# KiCad board C816Pro.kicad_pcb
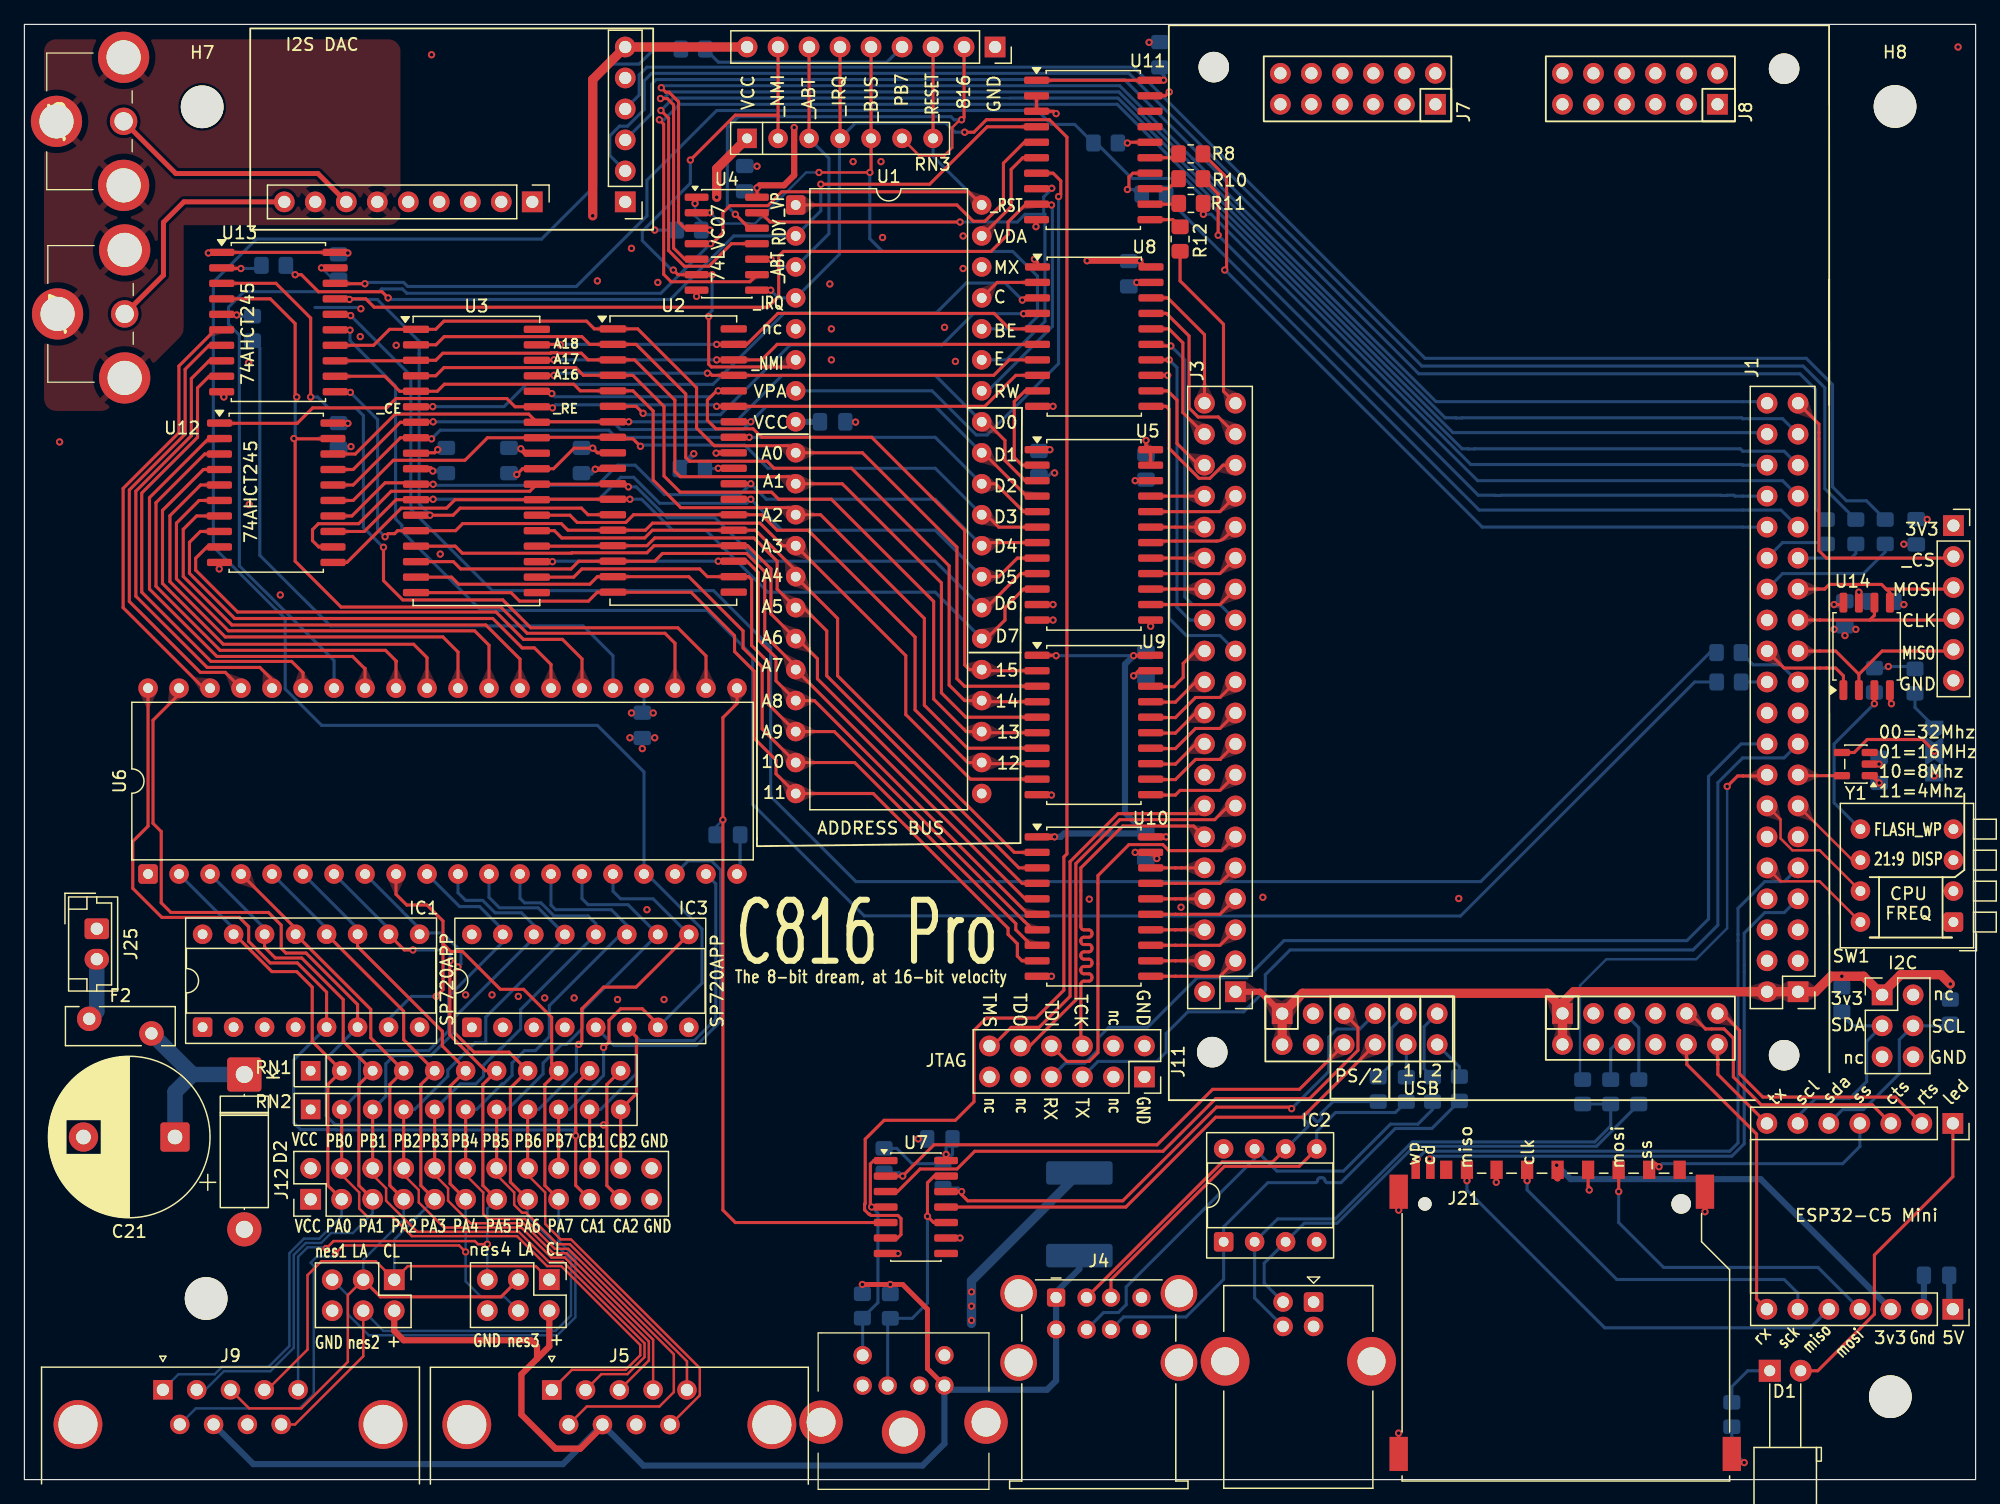
[diagram p0: board, top side]
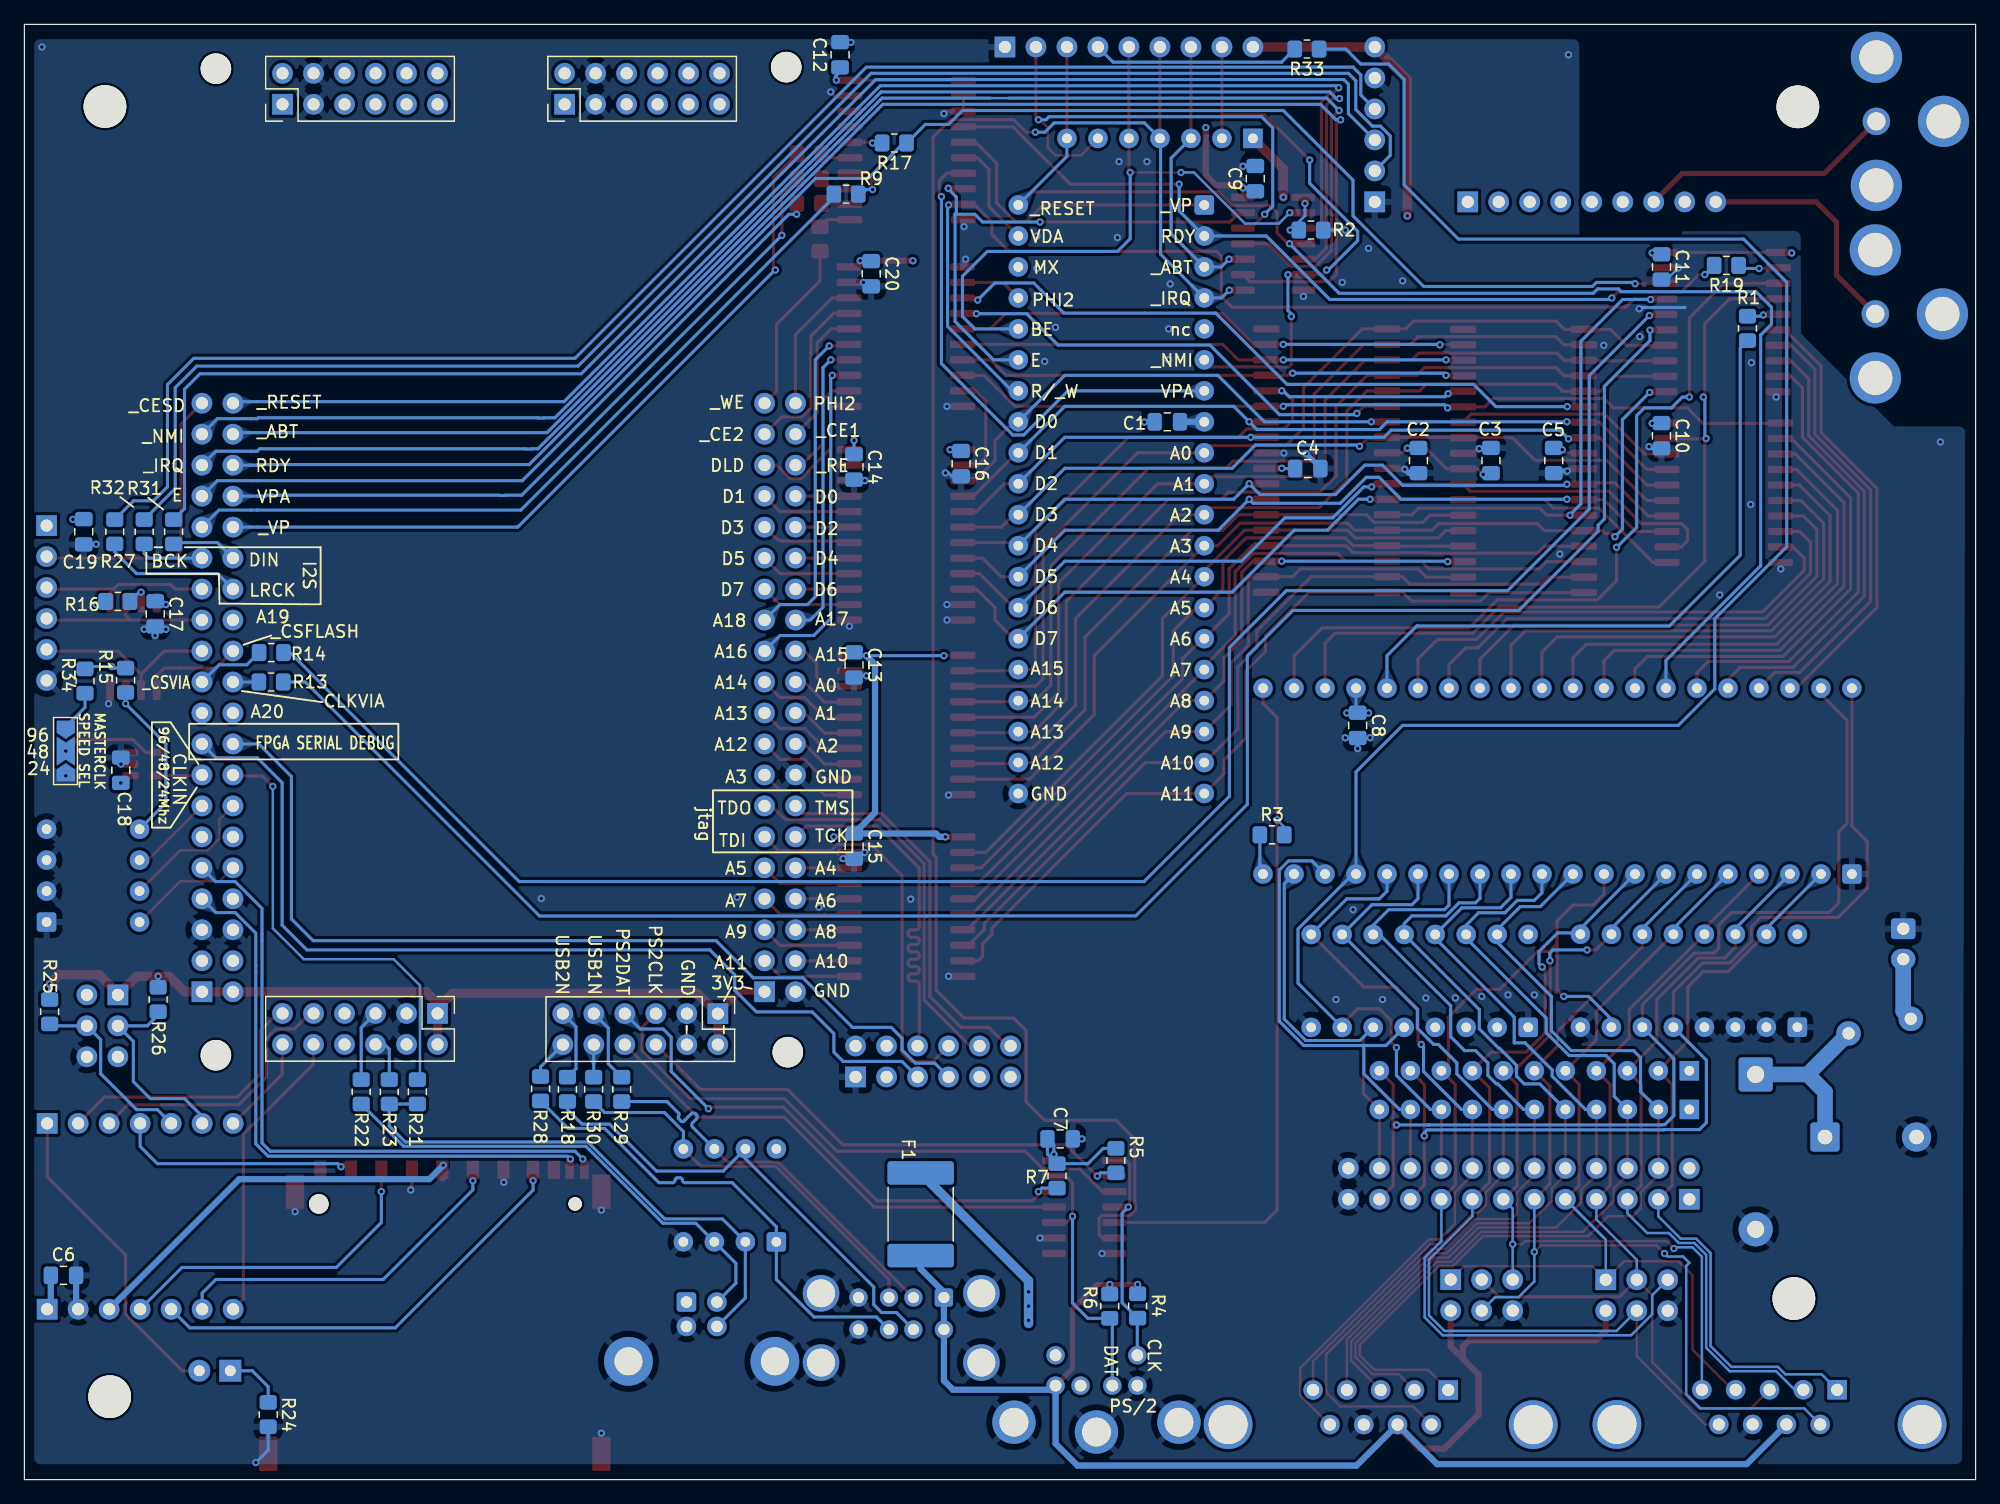
[diagram p1: board, bottom side, seen from below]

Outline 159.89 x 119.33 mm; copper layers: Top, In1.Cu, In2.Cu, Bottom. Coordinates in mm from the lower left corner of the outline.
Outline path: rectangle 0,119.33 159.89,0
Stack: Top 0.035mm / dielectric 0.1mm FR4 er 4.5 / In1.Cu 0.035mm / dielectric 1.24mm FR4 er 4.5 / In2.Cu 0.035mm / dielectric 0.1mm FR4 er 4.5 / Bottom 0.035mm

## Placement (name value [footprint] x y rotation side)
C1  100n  [C_0805_2012Metric_Pad1.18x1.45mm_HandSolder]  66.23 86.74 0 bottom
C2  100n  [C_0805_2012Metric_Pad1.18x1.45mm_HandSolder]  45.66 83.57 270 bottom
C3  100n  [C_0805_2012Metric_Pad1.18x1.45mm_HandSolder]  39.71 83.57 90 bottom
C4  100n  [C_0805_2012Metric_Pad1.18x1.45mm_HandSolder]  54.73 82.91 180 bottom
C5  100n  [C_0805_2012Metric_Pad1.18x1.45mm_HandSolder]  34.57 83.57 270 bottom
C6  100n  [C_0805_2012Metric_Pad1.18x1.45mm_HandSolder]  156.69 16.75 180 bottom
C7  100n  [C_0805_2012Metric_Pad1.18x1.45mm_HandSolder]  75.02 27.94 180 bottom
C8  100n  [C_0805_2012Metric_Pad1.18x1.45mm_HandSolder]  50.63 61.85 270 bottom
C9  100n  [C_0805_2012Metric_Pad1.18x1.45mm_HandSolder]  59.03 106.68 90 bottom
C10  100n  [C_0805_2012Metric_Pad1.18x1.45mm_HandSolder]  25.74 85.6 270 bottom
C11  100n  [C_0805_2012Metric_Pad1.18x1.45mm_HandSolder]  25.74 99.44 270 bottom
C12  100n  [C_0805_2012Metric_Pad1.18x1.45mm_HandSolder]  93.05 116.84 90 bottom
C13  100n  [C_0805_2012Metric_Pad1.18x1.45mm_HandSolder]  91.91 66.8 270 bottom
C14  100n  [C_0805_2012Metric_Pad1.18x1.45mm_HandSolder]  91.91 83.04 270 bottom
C15  100n  [C_0805_2012Metric_Pad1.18x1.45mm_HandSolder]  91.9 51.94 270 bottom
C16  100n  [C_0805_2012Metric_Pad1.18x1.45mm_HandSolder]  83.14 83.31 270 bottom
C17  100n  [C_0805_2012Metric_Pad1.18x1.45mm_HandSolder]  149.18 70.99 270 bottom
C18  100n  [C_0805_2012Metric_Pad1.18x1.45mm_HandSolder]  151.99 58.17 90 bottom
C19  100n  [C_0805_2012Metric_Pad1.18x1.45mm_HandSolder]  155.03 77.72 270 bottom
C20  100n  [C_0805_2012Metric_Pad1.18x1.45mm_HandSolder]  90.5 98.88 270 bottom
C21  C_Polarized  [CP_Radial_D13.0mm_P7.50mm]  12.34 28.09 180 top
D1  LED  [LED_D5.0mm_Horizontal_O6.35mm_Z3.0mm]  143.02 8.92 0 top
D2  D_Zener  [D_5W_P12.70mm_Horizontal]  18.02 33.22 270 top
F1  Fuse  [Fuse_2920_7451Metric]  86.45 21.76 90 bottom
F2  Polyfuse  [Fuse_Bourns_MF-RHT300]  5.31 37.79 0 top
H1  MountingHole  [MountingHole_2.5mm]  97.34 35.05 90 top
H2  MountingHole  [MountingHole_2.5mm]  97.47 115.82 90 top
H3  MountingHole  [MountingHole_2.5mm]  144.2 34.8 90 top
H4  MountingHole  [MountingHole_2.5mm]  144.2 115.7 90 top
H5  MountingHole  [MountingHole_3.5mm]  14.89 14.85 0 top
H6  MountingHole  [MountingHole_3.5mm]  152.91 6.8 0 top
H7  MountingHole  [MountingHole_3.5mm]  14.57 112.57 0 top
H8  MountingHole  [MountingHole_3.5mm]  153.29 112.6 0 top
IC1  SP720APP  [DIP-16_W7.62mm_Socket]  14.6 37.1 90 top
IC2  SP721APP  [DIP-8_W7.62mm_Socket]  98.27 19.5 90 top
IC3  SP720APP  [DIP-16_W7.62mm_Socket]  36.66 37.08 90 top
J1  Conn_02x20_Odd_Even  [PinHeader_2x20_P2.54mm_Vertical]  145.34 40.01 180 top
J2  Conn_02x06_Odd_Even  [PinHeader_2x06_P2.54mm_Vertical]  126.04 38.23 270 bottom
J3  Conn_02x20_Odd_Even  [PinHeader_2x20_P2.54mm_Vertical]  99.24 40.01 180 top
J4  USB_A_Stacked  [USB_A_Wuerth_61400826021_Horizontal_Stacked]  84.54 14.93 0 top
J5  DE9_Pins  [DSUB-9_Pins_Horizontal_P2.77x2.84mm_EdgePinOffset4.94mm_Housed_MountingHolesOffset4.94mm]  43.21 7.35 0 top
J6  Conn_02x06_Odd_Even  [PinHeader_2x06_P2.54mm_Vertical]  103.07 38.21 270 bottom
J7  Conn_02x06_Odd_Even  [PinHeader_2x06_P2.54mm_Vertical]  115.63 112.78 90 bottom
J8  Conn_02x06_Odd_Even  [PinHeader_2x06_P2.54mm_Vertical]  138.74 112.78 90 bottom
J9  DE9_Pins  [DSUB-9_Pins_Horizontal_P2.77x2.84mm_EdgePinOffset4.94mm_Housed_MountingHolesOffset4.94mm]  11.35 7.36 0 top
J10  5749265-1  [57492651]  70.74 7.71 180 top
J11  Conn_02x06_Odd_Even  [PinSocket_2x06_P2.54mm_Vertical]  91.78 33.02 270 top
J12  Conn_02x12_Odd_Even  [PinHeader_2x12_P2.54mm_Vertical]  23.46 22.99 90 top
J13  Conn_01x03_Pin  [SolderJumper-3_P2.0mm_Open_TrianglePad1.0x1.5mm_NumberLabels]  156.5 59.74 90 bottom
J14  Conn_02x03_Odd_Even  [PinHeader_2x03_P2.54mm_Vertical]  43.01 16.4 270 top
J15  Conn_02x03_Odd_Even  [PinHeader_2x03_P2.54mm_Vertical]  30.31 16.39 270 top
J16  Conn_01x06_Pin  [PinSocket_1x06_P2.54mm_Vertical]  158.08 78.23 0 top
J17  Conn_01x09  [PinSocket_1x09_P2.54mm_Vertical]  79.54 117.47 270 top
J18  USB_B  [USB_B_Lumberg_2411_02_Horizontal]  105.64 14.56 270 top
J19  Conn_02x03_Odd_Even  [PinHeader_2x03_P2.54mm_Vertical]  152.23 39.75 0 top
J20  Conn_01x06_Socket  [PinHeader_1x06_P2.54mm_Vertical]  49.24 104.77 180 top
J21  SD_Card_Receptacle  [SD_TE_2041021]  126.27 13.43 0 top
J22  Conn_01x07_Pin  [PinSocket_1x07_P2.54mm_Vertical]  158.03 13.97 270 top
J23  Conn_01x07_Pin  [PinSocket_1x07_P2.54mm_Vertical]  158.03 29.21 270 top
J24  Conn_01x09_Socket  [PinHeader_1x09_P2.54mm_Vertical]  41.62 104.77 270 top
J25  Conn_01x02  [JST_EH_B2B-EH-A_1x02_P2.50mm_Vertical]  5.93 45.17 270 top
J26  -  [NYS354]  8.13 111.38 90 top
J27  -  [NYS354]  8.22 95.59 90 top
NT23  NetTie_2  [MyNetTie-2_SMD_Pad0.25mm]  136.23 34.29 90 top
NT24  NetTie_2  [MyNetTie-2_SMD_Pad0.25mm]  138.77 34.29 270 top
NT25  NetTie_2  [MyNetTie-2_SMD_Pad0.25mm]  140.55 36.58 270 top
NT26  NetTie_2  [MyNetTie-2_SMD_Pad0.25mm]  94.58 42.54 0 top
NT27  NetTie_2  [MyNetTie-2_SMD_Pad0.25mm]  94.58 45.08 0 top
NT28  NetTie_2  [MyNetTie-2_SMD_Pad0.25mm]  94.58 47.62 0 top
NT29  NetTie_2  [MyNetTie-2_SMD_Pad0.25mm]  94.58 50.16 0 top
NT30  NetTie_2  [MyNetTie-2_SMD_Pad0.25mm]  94.58 41.27 0 top
NT31  NetTie_2  [MyNetTie-2_SMD_Pad0.25mm]  94.58 43.81 0 top
NT32  NetTie_2  [MyNetTie-2_SMD_Pad0.25mm]  94.58 46.35 0 top
NT33  NetTie_2  [MyNetTie-2_SMD_Pad0.25mm]  94.58 48.89 0 top
NT34  NetTie_2  [MyNetTie-2_SMD_Pad0.25mm]  94.07 62.48 180 top
NT35  NetTie_2  [MyNetTie-2_SMD_Pad0.25mm]  94.07 59.94 180 top
NT36  NetTie_2  [MyNetTie-2_SMD_Pad0.25mm]  94.07 57.4 180 top
NT37  NetTie_2  [MyNetTie-2_SMD_Pad0.25mm]  94.07 56.13 180 top
NT38  NetTie_2  [MyNetTie-2_SMD_Pad0.25mm]  138.01 36.96 0 top
NT39  NetTie_2  [MyNetTie-2_SMD_Pad0.25mm]  140.93 41.91 270 bottom
NT40  NetTie_2  [MyNetTie-2_SMD_Pad0.25mm]  140.42 44.45 270 bottom
NT42  NetTie_2  [MyNetTie-2_SMD_Pad0.25mm]  93.94 65.02 0 top
NT43  NetTie_2  [MyNetTie-2_SMD_Pad0.25mm]  94.07 63.75 0 top
NT44  NetTie_2  [MyNetTie-2_SMD_Pad0.25mm]  94.07 61.21 0 top
NT45  NetTie_2  [MyNetTie-2_SMD_Pad0.25mm]  94.07 58.67 0 top
NT48  NetTie_2  [MyNetTie-2_SMD_Pad0.25mm]  141.09 57.7 0 top
NT51  NetTie_2  [MyNetTie-2_SMD_Pad0.25mm]  147.41 66.55 0 top
NT52  NetTie_2  [MyNetTie-2_SMD_Pad0.25mm]  32.35 92.58 270 bottom
NT53  NetTie_2  [MyNetTie-2_SMD_Pad0.25mm]  141.06 83.18 180 bottom
NT54  NetTie_2  [MyNetTie-2_SMD_Pad0.25mm]  54.95 103.89 90 bottom
NT55  NetTie_2  [MyNetTie-2_SMD_Pad0.25mm]  141.06 88.39 180 bottom
NT56  NetTie_2  [MyNetTie-2_SMD_Pad0.25mm]  141.06 85.85 180 bottom
NT57  NetTie_2  [MyNetTie-2_SMD_Pad0.25mm]  141.06 86.99 180 bottom
NT58  NetTie_2  [MyNetTie-2_SMD_Pad0.25mm]  141.06 84.33 180 bottom
NT59  NetTie_2  [MyNetTie-2_SMD_Pad0.25mm]  141.06 81.91 0 bottom
NT60  NetTie_2  [MyNetTie-2_SMD_Pad0.25mm]  141.06 80.64 0 bottom
NT61  NetTie_2  [MyNetTie-2_SMD_Pad0.25mm]  141.06 79.5 0 bottom
NT62  NetTie_2  [MyNetTie-2_SMD_Pad0.25mm]  141.06 78.1 0 bottom
NT63  NetTie_2  [MyNetTie-2_SMD_Pad0.25mm]  147.05 85.6 270 top
NT64  NetTie_2  [MyNetTie-2_SMD_Pad0.25mm]  147.28 73.03 0 top
NT65  NetTie_2  [MyNetTie-2_SMD_Pad0.25mm]  146.9 70.49 0 top
NT66  NetTie_2  [MyNetTie-2_SMD_Pad0.25mm]  146.9 67.94 0 top
R1  33  [R_0805_2012Metric_Pad1.20x1.40mm_HandSolder]  18.69 94.4 270 bottom
R2  10K  [R_0805_2012Metric_Pad1.20x1.40mm_HandSolder]  54.46 102.46 0 bottom
R3  3k3  [R_0805_2012Metric_Pad1.20x1.40mm_HandSolder]  57.65 52.87 180 bottom
R4  3K3  [R_0805_2012Metric_Pad1.20x1.40mm_HandSolder]  68.67 14.24 90 bottom
R5  1K  [R_0805_2012Metric_Pad1.20x1.40mm_HandSolder]  70.45 26.16 90 bottom
R6  3K3  [R_0805_2012Metric_Pad1.20x1.40mm_HandSolder]  70.95 14.22 270 bottom
R7  1K  [R_0805_2012Metric_Pad1.20x1.40mm_HandSolder]  75.27 24.91 270 bottom
R8  33  [R_0805_2012Metric_Pad1.20x1.40mm_HandSolder]  95.58 108.71 180 top
R9  33  [R_0805_2012Metric_Pad1.20x1.40mm_HandSolder]  92.56 105.41 180 bottom
R10  33  [R_0805_2012Metric_Pad1.20x1.40mm_HandSolder]  95.58 106.68 180 top
R11  33  [R_0805_2012Metric_Pad1.20x1.40mm_HandSolder]  95.59 104.65 180 top
R12  33  [R_0805_2012Metric_Pad1.20x1.40mm_HandSolder]  94.7 101.73 90 top
R13  33  [R_0805_2012Metric_Pad1.20x1.40mm_HandSolder]  139.68 65.41 0 bottom
R14  33  [R_0805_2012Metric_Pad1.20x1.40mm_HandSolder]  139.66 67.82 0 bottom
R15  3K3  [R_0805_2012Metric_Pad1.20x1.40mm_HandSolder]  151.6 65.55 270 bottom
R16  3K3  [R_0805_2012Metric_Pad1.20x1.40mm_HandSolder]  152.23 72.01 180 bottom
R17  1K  [R_0805_2012Metric_Pad1.20x1.40mm_HandSolder]  88.61 109.6 0 bottom
R18  33  [R_0805_2012Metric_Pad1.20x1.40mm_HandSolder]  115.39 32 270 bottom
R19  330  [R_0805_2012Metric_Pad1.20x1.40mm_HandSolder]  20.42 99.57 0 bottom
R21  1k5  [R_0805_2012Metric_Pad1.20x1.40mm_HandSolder]  127.69 31.8 270 bottom
R22  33  [R_0805_2012Metric_Pad1.20x1.40mm_HandSolder]  132.29 31.8 270 bottom
R23  33  [R_0805_2012Metric_Pad1.20x1.40mm_HandSolder]  129.99 31.8 270 bottom
R24  330  [R_0805_2012Metric_Pad1.20x1.40mm_HandSolder]  139.92 5.33 270 bottom
R25  1k  [R_0805_2012Metric_Pad1.20x1.40mm_HandSolder]  157.82 38.37 90 bottom
R26  1k  [R_0805_2012Metric_Pad1.20x1.40mm_HandSolder]  148.93 39.37 90 bottom
R27  33  [R_0805_2012Metric_Pad1.20x1.40mm_HandSolder]  152.49 77.72 270 bottom
R28  33  [R_0805_2012Metric_Pad1.20x1.40mm_HandSolder]  117.59 32.05 270 bottom
R29  33  [R_0805_2012Metric_Pad1.20x1.40mm_HandSolder]  110.94 32 270 bottom
R30  33  [R_0805_2012Metric_Pad1.20x1.40mm_HandSolder]  113.24 32 270 bottom
R31  33  [R_0805_2012Metric_Pad1.20x1.40mm_HandSolder]  147.66 77.72 270 bottom
R32  33  [R_0805_2012Metric_Pad1.20x1.40mm_HandSolder]  150.08 77.72 270 bottom
R33  330  [R_0805_2012Metric_Pad1.20x1.40mm_HandSolder]  54.8 117.31 0 bottom
R34  3K3  [R_0805_2012Metric_Pad1.20x1.40mm_HandSolder]  154.93 65.48 270 bottom
RN1  R_Network10  [R_Array_SIP11]  23.46 33.53 0 top
RN2  R_Network10  [R_Array_SIP11]  23.46 30.35 0 top
RN3  R_Network06  [R_Array_SIP7]  59.22 109.98 0 top
SW1  SW_DIP_x04  [SW_DIP_SPSTx04_Piano_10.8x11.72mm_W7.62mm_P2.54mm]  158.08 45.72 180 top
U1  W65C816SxP  [DIP-40_W15.24mm]  63.21 104.52 0 top
U2  CY7C1049G-10VXI  [SOJ-36_10.16x23.495mm_P1.27mm]  53.18 83.57 0 top
U3  CY7C1049G-10VXI  [SOJ-36_10.16x23.495mm_P1.27mm]  37.04 83.53 0 top
U4  74LVC07  [SOIC-14_3.9x8.7mm_P1.27mm]  57.56 101.35 0 top
U5  SN74LVC8T245  [SOIC-24W_7.5x15.4mm_P1.27mm]  87.64 77.47 0 top
U6  W65C22NxP  [DIP-40_W15.24mm]  10.13 49.66 90 top
U7  74LVC07  [SOIC-14_3.9x8.7mm_P1.27mm]  73.05 22.35 0 top
U8  74AHCT245  [SOIC-20W_7.5x12.8mm_P1.27mm]  87.67 93.73 0 top
U9  74LVCH245  [SOIC-20W_7.5x12.8mm_P1.27mm]  87.64 61.88 0 top
U10  74LVCH245  [SOIC-20W_7.5x12.8mm_P1.27mm]  87.64 46.99 0 top
U11  74LVCH245  [SOIC-20W_7.5x12.8mm_P1.27mm]  87.59 109.03 0 top
U12  74AHCT245  [SOIC-20W_7.5x12.8mm_P1.27mm]  20.64 80.92 0 top
U13  74AHCT245  [SOIC-20W_7.5x12.8mm_P1.27mm]  20.82 94.92 0 top
U14  W25Q128JVS  [SOIC-8_5.3x5.3mm_P1.27mm]  150.96 68.33 90 top
Y1  LTC6905xS5-100  [TSOT-23-5]  150.08 58.67 180 top

## Library data of the parts
C1-C20 = -: Description: Unpolarized capacitor; KiLib_Generator: SMD_2terminal_chip_molded; ki_fp_filters: C_*
C21 = -: Description: Polarized capacitor; KiLib_Generator: capacitor/THT/other; ki_fp_filters: CP_*
D1 = -: Description: Light emitting diode; KiLib_Generator: LED/THT; Sim.Pins: 1=K 2=A; ki_fp_filters: LED* LED_SMD:* LED_THT:*
D2 = -: Description: Zener diode; KiLib_Generator: diode/THT; ki_fp_filters: TO-???* *_Diode_* *SingleDiode* D_*
F1 = -: Description: Fuse, small symbol; KiLib_Generator: SMD_2terminal_chip_molded; ki_fp_filters: *Fuse*
F2 = -: Description: Resettable fuse, polymeric positive temperature coefficient; KiLib_Generator: fuse; ki_fp_filters: *polyfuse* *PTC*
H1-H8 = -: Description: Mounting Hole without connection; KiLib_Generator: mounting_hardware/mounting_hole; ki_fp_filters: MountingHole*
IC1 IC3 = -: Datasheet: https://componentsearchengine.com/Datasheets/1/SP720APP.pdf; Description: TVS Diode Arrays 14 CH DIODE ARRAY; KiLib_Generator: package/DIP/legacy; Height: 5.33; Mouser Part Number: 576-SP720APP; Mouser Price/Stock: https://www.mouser.co.uk/ProductDetail/Littelfuse/SP720APP?qs=RnOBYWd%2Fz7ctWfM2SrWSeA%3D%3D; Manufacturer_Name: LITTELFUSE
IC2 = -: Description: ESD Suppressors / TVS Diodes 6 CH DIODE ARRAY; KiLib_Generator: package/DIP/legacy; Height: 5.33; Mouser Part Number: 576-SP721APP; Mouser Price/Stock: https://www.mouser.co.uk/ProductDetail/Littelfuse/SP721APP?qs=RnOBYWd%2Fz7cryI11%252B%2FEAeg%3D%3D; Manufacturer_Name: LITTELFUSE
J1 J3 = -: Description: Generic connector, double row, 02x20, odd/even pin numbering scheme (row 1 odd numbers, row 2 even numbers), script generated (kicad-library-utils/schlib/autogen/connector/); KiLib_Generator: connector/pin_header_socket; ki_fp_filters: Connector*:*_2x??_*
J2 J6-J8 J11 = -: Description: Generic connector, double row, 02x06, odd/even pin numbering scheme (row 1 odd numbers, row 2 even numbers), script generated (kicad-library-utils/schlib/autogen/connector/); KiLib_Generator: connector/pin_header_socket; ki_fp_filters: Connector*:*_2x??_*
J4 = -: Description: USB Type A connector, stacked; ki_fp_filters: USB*
J5 J9 = -: Description: 9-pin D-SUB connector, pins (male); KiLib_Generator: connector/D_sub; ki_fp_filters: DSUB*Pins*
J10 = -: Datasheet: https://www.te.com/commerce/DocumentDelivery/DDEController?Action=showdoc&DocId=Customer+Drawing%7F5749265%7FP%7Fpdf%7FEnglish%7FENG_CD_5749265_P.pdf%7F5749265-1; Description: Body Features: Shield Plating Finish Bright | Primary Product Color Black | Shield Plating Material Tin | Shield Material Copper Alloy | Panel Ground Feature Type None | Configuration Features: Number of Positions 6 | PCB Mount Orientation Right Angle | Connector Contact Load Condition Fully Loaded | Contact Features: Contact Base Material Copper Alloy | Contact Underplating Material Thickness 50 MICIN | Contact Underplating Material Nickel | PCB Contact Termination Area Plating Material Thickness 3.05 MICM; Height: 13; Mouser Part Number: 571-5749265-1; Mouser Price/Stock: https://www.mouser.co.uk/ProductDetail/TE-Connectivity/5749265-1?qs=XlZqES4cpWYElOV%2FYDAlWw%3D%3D; Manufacturer_Name: TE Connectivity
J12 = -: Description: Generic connector, double row, 02x12, odd/even pin numbering scheme (row 1 odd numbers, row 2 even numbers), script generated (kicad-library-utils/schlib/autogen/connector/); KiLib_Generator: connector/pin_header_socket; ki_fp_filters: Connector*:*_2x??_*
J13 = -: Description: Generic connector, single row, 01x03, script generated; ki_fp_filters: Connector*:*_1x??_*
J14 J15 J19 = -: Description: Generic connector, double row, 02x03, odd/even pin numbering scheme (row 1 odd numbers, row 2 even numbers), script generated (kicad-library-utils/schlib/autogen/connector/); KiLib_Generator: connector/pin_header_socket; ki_fp_filters: Connector*:*_2x??_*
J16 J20 = -: Description: Generic connector, single row, 01x06, script generated; KiLib_Generator: connector/pin_header_socket; ki_fp_filters: Connector*:*_1x??_*
J17 = -: Description: Generic connector, single row, 01x09, script generated (kicad-library-utils/schlib/autogen/connector/); KiLib_Generator: connector/pin_header_socket; ki_fp_filters: Connector*:*_1x??_*
J18 = -: Description: USB Type B connector; ki_fp_filters: USB*
J21 = -: Datasheet: https://jlcpcb.com/api/file/downloadByFileSystemAccessId/8588902820871614464; Description: SD card receptacle; ki_fp_filters: SD*
J22 J23 = -: Description: Generic connector, single row, 01x07, script generated; KiLib_Generator: connector/pin_header_socket; ki_fp_filters: Connector*:*_1x??_*
J24 = -: Description: Generic connector, single row, 01x09, script generated; KiLib_Generator: connector/pin_header_socket; ki_fp_filters: Connector*:*_1x??_*
J25 = -: Description: Generic connector, single row, 01x02, script generated (kicad-library-utils/schlib/autogen/connector/); KiLib_Generator: connector/JST; ki_fp_filters: Connector*:*_1x??_*
J26 J27 = -: Datasheet: http://www.rean-connectors.com/en/products/phono/phono-jacks/nys354; Description: RCA Phono Connectors SHIELDED RIGHT ANGLE REAN; Height: 12; Mouser Part Number: 568-NYS354; Mouser Price/Stock: https://www.mouser.co.uk/ProductDetail/REAN/NYS354?qs=MO8z%252B%252BLepAFDBU89%252BahhOw%3D%3D; Manufacturer_Name: Neutrik
NT23-NT40 NT42-NT45 NT48 NT51-NT66 = -: Description: Net tie, 2 pins; ki_fp_filters: Net*Tie*
R1-R19 R21-R34 = -: Description: Resistor; KiLib_Generator: SMD_2terminal_chip_molded; ki_fp_filters: R_*
RN1 RN2 = -: Datasheet: http://www.vishay.com/docs/31509/csc.pdf; Description: 10 resistor network, star topology, bussed resistors, small symbol; KiLib_Generator: resistor/array_SIP_THT; ki_fp_filters: R?Array?SIP*
RN3 = -: Datasheet: http://www.vishay.com/docs/31509/csc.pdf; Description: 6 resistor network, star topology, bussed resistors, small symbol; KiLib_Generator: resistor/array_SIP_THT; ki_fp_filters: R?Array?SIP*
SW1 = -: Description: 4x DIP Switch, Single Pole Single Throw (SPST) switch, small symbol; KiLib_Generator: button_switch/DIP; ki_fp_filters: SW?DIP?x4*
U1 = -: Datasheet: http://www.westerndesigncenter.com/wdc/documentation/w65c816s.pdf; Description: 8/16-bit CMOS General Purpose Microprocessor, DIP-40; KiLib_Generator: package/DIP/legacy; ki_fp_filters: DIP*W15.24mm*
U2 U3 = -: Datasheet: http://www.issi.com/WW/pdf/61-64C5128AL.pdf; Description: 512K x 8 HIGH-SPEED CMOS STATIC RAM, 10ns, SOJ-36; KiLib_Generator: package/gullwing; ki_fp_filters: SOJ*10.16*23.*P1.27mm*
U4 U7 = -: Datasheet: www.ti.com/lit/ds/symlink/sn74ls07.pdf; Description: Hex Buffers and Drivers With Open Collector High Voltage Outputs; KiLib_Generator: package/gullwing; ki_fp_filters: SOIC*3.9x8.7mm*P1.27mm* TSSOP*4.4x5mm*P0.65mm* DIP*W7.62mm*
U5 = -: Datasheet: https://www.ti.com/lit/ds/symlink/sn74lvc8t245.pdf; Description: 8-Bit Dual-Supply Bus Transceiver With Configurable Voltage Translation and 3-State Outputs; KiLib_Generator: package/gullwing; ki_fp_filters: SSOP*5.3x8.2mm* SSOP*3.9x8.7mm* TSSOP*4.4x7.8mm* TVSOP*4.4x5.0mm* Texas*VQFN*RHL*
U6 = -: Datasheet: http://www.westerndesigncenter.com/wdc/documentation/w65c22.pdf; Description: CMOS Versatile Interface Adapter (VIA), 20-pin I/O, 2 Timer/Counters, NMOS-Compatible, DIP-40; KiLib_Generator: package/DIP/legacy; ki_fp_filters: DIP*W15.24mm*
U8-U13 = -: Datasheet: http://www.ti.com/lit/gpn/sn74HC245; Description: Octal BUS Transceivers, 3-State outputs; KiLib_Generator: package/gullwing; ki_fp_filters: DIP?20*
U14 = -: Datasheet: https://www.winbond.com/resource-files/w25q128jv_dtr%20revc%2003272018%20plus.pdf; Description: 128Mbit / 16MiB Serial Flash Memory, Standard/Dual/Quad SPI, 2.7-3.6V, SOIC-8; KiLib_Generator: package/gullwing; ki_fp_filters: *SOIC*5.3x5.3mm*P1.27mm*
Y1 = -: Datasheet: https://www.analog.com/media/en/technical-documentation/data-sheets/6905xfa.pdf; Description: 2.7-5.5V 100MHz Precision Fixed Frequency Silicon Oscillator, TSOT-23-5; KiLib_Generator: package/gullwing; ki_fp_filters: TSOT?23?5*
